# Allegro board sk_s7g2 rev3.0.brd (continued)
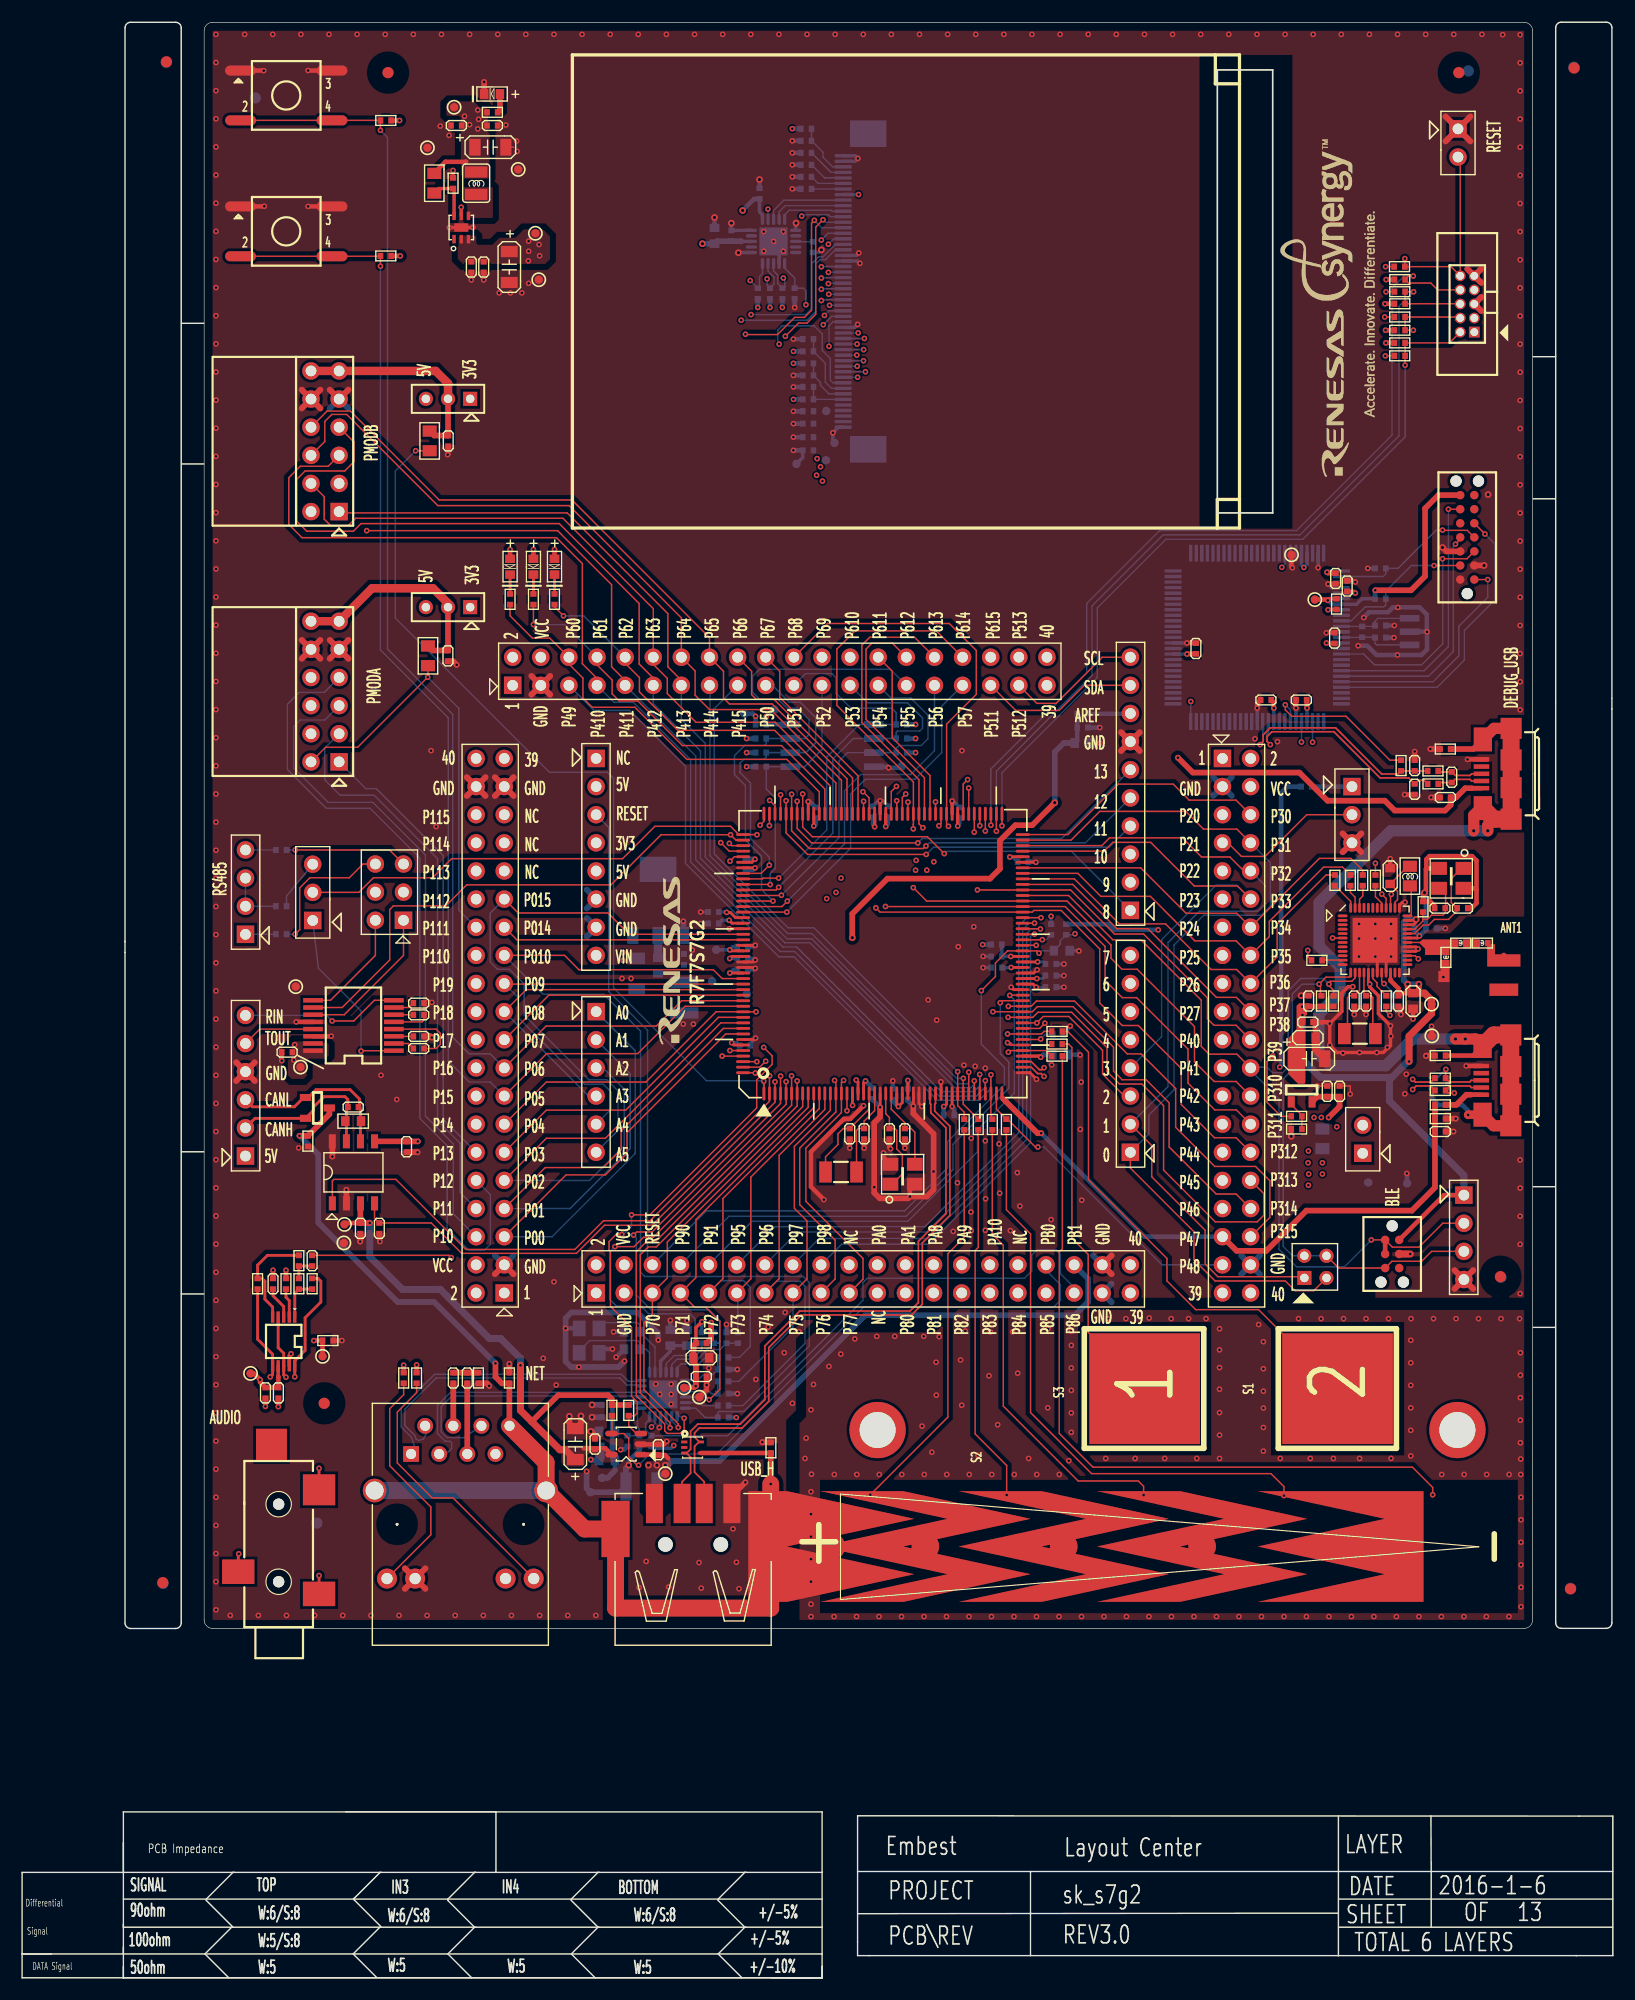
[diagram p0: board, top side]
## Routing (per net, layer and track width the routed paths; a pad name or vN(x,y) marks a point on that pad's centre or on a via; arc(x,y) is an arc through that point) (continued)
P4_14: length 50.9
  TOP w0.127: v1(85.02,81.21) 85.01,81.2 U1.37 85.01,78.89 R65.1
  BOTTOM w0.127: J22.15 62.13,116.65 62.13,101.3 69.14,94.29 71.33,94.29 84.41,81.21 v1(85.02,81.21)
P4_15: length 50.8
  TOP w0.127: R66.1 85.1,78.16 84.51,78.75 U1.36 v1(84.51,81.82)
  BOTTOM w0.127: v1(84.51,81.82) 71.53,94.8 69.2,94.8 62.52,101.48 62.52,114.58 J22.17
P5_0: length 28.8
  TOP w0.127: v1(67.49,100.46) 66.75,99.72 U1.140
  BOTTOM w0.127: J22.19 67.77,116.7 69.3,115.17 70.29,115.17 71.68,113.77 71.68,111.51 70.8,110.62 U6.6 R94.2 67.21,110.22 67.01,110.01 65.18,110.01 64.85,109.68 64.85,108.82 65.79,107.88 65.79,102.88 67.49,101.17 v1(67.49,100.46)
P5_1: length 36.5
  TOP w0.127: U1.141 66.86,99.22 66.93,99.3 v1(68.33,99.3)
  BOTTOM w0.127: J22.21 70.77,117.76 73.13,117.76 73.51,117.38 73.51,115.98 74.86,114.64 78.54,114.64 78.95,114.23 R93.2 U6.1 75.62,113.16 72.68,110.22 72.68,103.64 v1(68.33,99.3)
P5_2: length 25.1
  TOP w0.127: v1(67.57,98.71) 67.56,98.72 U1.142
  BOTTOM w0.127: J22.23 72.25,110.91 70.67,109.33 69.42,109.33 U6.5 R95.2 67.22,107.34 68.03,106.53 68.03,100.16 67.57,99.7 v1(67.57,98.71)
P5_3: length 35.2
  TOP w0.127: U1.143 68.1,98.22 v1(68.33,98.46)
  BOTTOM w0.127: v1(68.33,98.46) 73.23,103.36 73.23,110.06 75.06,111.89 U6.2 R96.2 78.95,112.45 79.08,112.58 81.08,112.58 81.34,112.83 81.34,113.75 79.96,115.12 76.37,115.12 J22.25
P5_4: length 34.6
  TOP w0.127: v1(68.59,97.75) 68.56,97.72 U1.144
  BOTTOM w0.127: J22.27 78.47,115.55 80.27,115.55 81.82,114 81.82,111.87 81.21,111.26 79.2,111.26 78.95,111 R97.2 U6.3 74.55,110.62 73.79,109.86 73.79,102.95 v1(68.59,97.75)
P5_5: length 48.7
  TOP w0.127: U1.145 v1(67.82,97.22)
  BOTTOM w0.127: v1(67.82,97.22) 66.78,98.26 66.78,101.28 65.33,102.72 65.33,107.65 64.34,108.64 64.34,110.34 65.28,111.28 67.09,111.28 67.21,111.41 R98.2 U6.7 70.72,111.89 71.07,112.25 71.07,113.6 70.03,114.64 69.09,114.64 68.26,115.48 66.58,115.48 65.97,116.08 65.97,117.51 66.6,118.14 78.42,118.14 J22.29
P5_6: length 58.2
  TOP w0.127: v1(69.12,97.21) 68.63,96.72 U1.146
  INT4 w0.127: J22.31 82.41,114.4 97.89,98.92 J24.2
  BOTTOM w0.127: J22.31 82.41,110.78 80.27,108.64 75.75,108.64 74.29,107.18 74.29,102.38 v1(69.12,97.21)
P5_7: length 57.4
  TOP w0.127: v1(69.07,96.22) U1.147
  INT4 w0.127: J24.3 96.24,101.46 84.95,112.75 J22.33
  BOTTOM w0.127: v1(69.07,96.22) 74.83,101.99 74.83,106.89 76.15,108.21 80.65,108.21 83.06,110.62 83.06,114.81 J22.33
P5_11: length 125.1
  TOP w0.127: U1.176 66.19,81.72 v1(66.22,81.69) ; J22.35 89.75,114.43 93.68,114.43 95.94,116.7 J24.9
  INT3 w0.127: v1(66.22,81.69) 65.77,82.15 65.77,83.55 69.02,86.8 74.07,86.8 89.74,102.47 89.74,113.37 87.49,115.62 J22.35 87.49,116.8 88.93,118.24 88.93,123.02 76.05,135.9 76.05,142.58 74.35,144.28 74.35,150.04 74.61,150.3 74.61,156.9 73.72,157.79 71.68,157.79 71.18,157.28 71.18,156.52 68.76,154.11 68,154.11 v1(67.29,153.4)
  BOTTOM w0.127: v1(67.29,153.4) 67.29,152.82 R30.2 67.92,152.92 67.92,153.56 67.37,154.1 U3.9
P5_12: length 125.2
  TOP w0.127: J24.10 97.57,119.24 93.4,115.07 91.66,115.07 J22.37 ; U1.175 66.63,82.22 v1(67.16,82.76)
  INT3 w0.127: v1(65.77,153.24) 67.14,154.62 68.76,154.62 70.67,156.52 70.67,157.28 71.56,158.17 74.1,158.17 74.99,157.28 74.99,150.17 74.73,149.92 74.73,144.53 76.51,142.75 76.51,136.35 91.27,121.6 91.27,117.94 J22.37 90.79,115.94 90.79,101.33 74.91,85.45 69.86,85.45 v1(67.16,82.76)
  BOTTOM w0.127: v1(65.77,153.24) 66.45,152.57 R31.2 66.6,152.72 66.6,153.6 66.87,153.87 U3.10
P5_13: length 51.8
  TOP w0.127: U1.174 v1(66.36,82.72)
  INT3 w0.127: v1(66.36,82.72) 69.61,85.97 74.74,85.97 90.25,101.48 90.25,114.18 88.78,115.65 88.78,117.3 90.03,118.55 J22.38
P6_0: length 38.9
  TOP w0.127: U1.122 72.01,107.08 69.07,110.01 60.05,110.01 55.35,114.71 51.49,114.71 50.65,115.55 50.65,117.35 49.39,118.62 J22.6 47.66,120.96 46.08,120.96 44.07,122.97 R77.1
P6_1: length 37.6
  TOP w0.127: J22.8 51.93,118.54 53.29,117.18 53.29,115.93 53.94,115.28 55.62,115.28 59.64,111.26 68.59,111.26 72.51,107.34 U1.121 ; R78.1 v1(46.18,122.18)
  BOTTOM w0.127: v1(46.18,122.18) 48.98,122.18 J22.8
P6_2: length 35.4
  TOP w0.127: v1(48.9,122.97) 48.09,123.78 R79.1 ; U1.120 73.01,107.6 67.98,112.63 59.24,112.63 55.76,116.11 55.76,117.41 54.47,118.7 J22.10
  BOTTOM w0.127: J22.10 50.74,122.97 v1(48.9,122.97)
P6_3: length 66.9
  TOP w0.127: U1.119 73.51,107.88 68.02,113.37 60.86,113.37 58.27,115.96 58.27,117.33 57.01,118.59 J22.12 57.01,123.62 48.85,131.78 30.13,131.78 29.44,131.1 27.89,131.1 27.29,131.71 27.29,133.73 J14.4
P6_4: length 70.6
  TOP w0.127: J14.6 27.34,138.71 27.34,140.52 27.97,141.15 29.32,141.15 37.55,132.92 49.41,132.92 59.55,122.79 J22.14 60.79,118 60.79,115.81 62.08,114.51 67.62,114.51 74.01,108.13 U1.118
P6_5: length 68.4
  TOP w0.127: J14.8 27.55,141.46 29.65,141.46 37.67,133.43 49.66,133.43 62.09,121.01 J22.16 63.35,117.97 63.35,115.55 63.89,115.02 67.75,115.02 74.51,108.26 U1.117
P6_6: length 60.2
  TOP w0.127: J22.18 65.89,117.97 65.89,115.86 66.27,115.48 67.87,115.48 75.01,108.34 U1.116
  INT3 w0.127: J22.18 65.84,120.45 65.84,149 67.04,150.2 67.04,151.16 67.19,151.31 69.27,151.31 70.97,153.02 72.78,153.02 v1(72.83,152.97)
  BOTTOM w0.127: J3.24 72.87,153.01 v1(72.83,152.97)
P6_7: length 57.5
  TOP w0.127: U1.115 75.51,108.53 68.43,115.6 68.43,117.97 J22.20
  INT3 w0.127: v1(72.19,152.46) 71.05,152.46 70.29,151.7 70.29,150.55 69.78,150.04 67.62,150.04 66.38,148.8 66.38,120.03 J22.20
  BOTTOM w0.127: v1(72.19,152.46) 72.24,152.51 J3.25
P6_8: length 63.9
  TOP w0.127: v1(83.67,103.97) 83.51,104.14 U1.99 83.51,113.2 86.19,115.88 86.19,119.84 83.75,122.28 72.75,122.28 J22.22
  INT4 w0.127: J27.6 97.47,89.88 97.47,97.01 89.87,104.6 84.31,104.6 v1(83.67,103.97)
P6_9: length 67.9
  TOP w0.127: U1.100 83.01,104.22 v1(82.81,104.02)
  INT3 w0.127: v1(70.8,151.06) 70.8,150.55 69.91,149.66 68,149.66 66.88,148.55 66.88,134.68 72.78,128.78 72.78,119.77 J22.24 71,117.99 71,109.48 75.62,104.86 82.25,104.86 82.81,104.3 v1(82.81,104.02)
  BOTTOM w0.127: U3.6 68.87,154.38 69.78,153.47 R125.1 70.57,152.56 70.8,152.33 v1(70.8,151.06)
P6_10: length 63.4
  TOP w0.127: U1.101 82.51,106.18 v1(82.5,106.18)
  INT3 w0.127: v1(68.38,147.5) 68.38,135.46 75.32,128.53 75.32,119.77 J22.26 76.08,117.95 76.08,110.34 78.42,108.01 78.42,106 79.03,105.39 81.72,105.39 v1(82.5,106.18)
  BOTTOM w0.127: J3.42 73.25,144.01 73.01,144.25 73.01,146.21 72.27,146.95 72.27,148.42 71.53,149.16 68.64,149.16 68.26,148.77 68.26,147.63 v1(68.38,147.5)
P6_11: length 62.8
  TOP w0.127: v1(68.94,148.22) 70.14,149.41 70.9,149.41 71.68,150.2 71.68,158.07 v1(72.34,158.73) ; J22.28 78.59,117.97 78.59,111.97 82.01,108.56 U1.102
  INT3 w0.127: J22.28 77.33,127.38 68.92,135.8 68.92,148.19 v1(68.94,148.22)
  BOTTOM w0.127: v1(72.34,158.73) 72.57,158.51 J3.13
P6_12: length 21.4
  TOP w0.127: U1.103 81.51,108.35 76.23,113.62 76.23,119.97 76.76,120.5 78.6,120.5 J22.30
P6_13: length 55
  TOP w0.127: J22.32 80.61,121.04 76.56,121.04 75.85,120.33 75.85,113.34 81.01,108.19 U1.104 81.01,104.2 v1(81.36,103.84)
  INT4 w0.127: J27.7 97.95,91.94 97.95,97.26 90.2,105.01 82.53,105.01 v1(81.36,103.84)
P6_14: length 60
  TOP w0.127: v1(80.5,103.74) 80.5,104.15 80.51,104.15 U1.105 80.51,107.98 73.59,114.89 73.59,119.97 75.23,121.61 82.57,121.61 J22.34
  INT4 w0.127: J27.8 98.43,93.99 98.43,97.49 90.43,105.49 82.17,105.49 80.5,103.82 v1(80.5,103.74)
P6_15: length 57.6
  TOP w0.127: U1.106 80.01,106.14 v1(80.02,106.15)
  INT3 w0.127: v1(72.88,147.3) 72.88,144.28 75.24,141.92 75.24,135.01 87.49,122.76 J22.36 87.49,119.23 86.04,117.78 86.04,107.09 85.73,106.79 80.65,106.79 v1(80.02,106.15)
  BOTTOM w0.127: v1(72.88,147.3) 72.88,149.16 73.23,149.51 J3.31
P7_0: length 38.6
  TOP w0.127: v1(59.26,49.69) 59.26,50.02 56.17,53.12 56.17,59.14 56.93,59.9 J23.5 58.27,63.18 58.27,66.43 70.51,78.66 U1.8
  BOTTOM w0.127: U9.20 58.67,50.29 v1(59.26,49.69)
P7_1: length 37.1
  TOP w0.127: v1(62.06,52.2) 62.08,52.2 63.02,53.14 63.02,59.26 61.75,60.53 60.77,60.53 J23.7 60.86,63.23 60.86,68.46 71.01,78.6 U1.9
  BOTTOM w0.127: v1(62.06,52.2) 61.83,52.44 U9.16
P7_2: length 34.1
  TOP w0.127: U1.10 71.51,78.57 63.3,70.36 63.3,63.13 63.3,63.13 J23.9
  BOTTOM w0.127: 63.81,56.01 64.78,56.01 65.77,57 65.77,62.34 65.16,62.95 63.12,62.95 J23.9
P7_3: length 24.7
  TOP w0.127: U1.11 72.01,78.48 65.82,72.3 65.82,63.11 J23.11
  BOTTOM w0.127: J23.11 64.65,61.74 R100.2
P7_4: length 38.9
  TOP w0.127: U1.12 72.51,78.4 68.38,74.28 68.38,63.13 J23.13
  BOTTOM w0.127: 63.81,51.67 65.11,51.67 70.72,57.28 70.72,62.44 70.26,62.9 68.15,62.9 J23.13
P7_5: length 31.3
  TOP w0.127: U1.13 73.01,78.31 69.75,75.06 69.75,69.48 70.9,68.33 70.9,63.11 J23.15
  BOTTOM w0.127: 63.81,53.85 64.72,53.85 69.63,58.76 J23.15
P7_6: length 80.5
  TOP w0.127: v1(73.39,81.03) 73.51,80.91 U1.14 73.51,78.18 70.24,74.91 70.24,69.81 73.44,66.61 73.44,63.11 J23.17
  INT3 w0.127: J9.4 33.18,96.76 35.06,96.76 39.05,92.77 39.05,83.95 39.73,83.27 52.66,83.27 54.44,85.05 64.37,85.05 64.8,84.61 64.8,81.39 66.43,79.76 70.44,79.76 71.71,81.03 v1(73.39,81.03)
P7_7: length 80.2
  TOP w0.127: J23.19 75.95,63.08 75.95,64.95 70.8,70.11 70.8,74.91 74.01,78.12 U1.15 74.01,80.84 v1(74.2,81.03)
  INT3 w0.127: v1(74.2,81.03) 73.67,81.57 71.61,81.57 70.24,80.19 66.6,80.19 65.31,81.49 65.31,84.79 64.6,85.5 54.77,85.5 54.46,85.81 47.12,85.81 44.96,83.65 40.09,83.65 39.55,84.18 39.55,93.15 34.68,98.03 J9.3
P8_0: length 95.1
  TOP w0.127: v1(66.38,103.21) 66.36,103.22 U1.133 64.74,103.22 63.99,103.97 57.16,103.97 54.23,101.05 38.79,101.05 37.06,99.32 31.73,99.32 30.42,98.01 J8.2
  INT4 w0.127: v1(66.38,103.21) 64.75,101.58 63.99,101.58 62.29,99.88 62.29,79.43 75.77,65.95 75.77,63.43 76.28,62.92 78.7,62.92 J23.23
P8_1: length 106.1
  TOP w0.127: U7.10 28.91,87.61 33.2,91.9 33.2,96.45 33.53,96.78 38.26,96.78 40.16,98.69 53.19,98.69 57.71,103.21 v1(63.99,103.21) 64.47,102.72 U1.134
  INT4 w0.127: v1(63.99,103.21) 64.42,102.78 64.42,102.09 64.27,101.94 63.79,101.94 61.85,100.01 61.85,79.08 73.56,67.37 73.56,61.09 73.95,60.71 81.2,60.71 J23.25
P8_2: length 125.4
  TOP w0.127: U1.135 64.08,102.22 v1(63.88,102.43)
  INT3 w0.127: v1(72.19,153.47) 70.8,153.47 69.02,151.7 66.35,151.7 63.81,149.16 63.81,125.66 58.48,120.33 58.48,112.58 63.51,107.55 63.51,102.8 v1(63.88,102.43)
  INT4 w0.127: v1(63.88,102.43) 63.77,102.43 60.66,99.32 60.66,94.04 61.3,93.4 61.3,78.9 73.23,66.96 73.23,60.79 73.72,60.31 83.34,60.31 J23.27
  BOTTOM w0.127: J3.23 72.23,153.51 v1(72.19,153.47)
P8_3: length 132
  TOP w0.127: v1(63.1,102.5) 63.87,101.72 U1.136
  INT3 w0.127: v1(72.83,153.98) 70.67,153.98 68.76,152.08 65.97,152.08 63.3,149.41 63.3,125.91 58.1,120.71 58.1,112.27 63.02,107.35 63.02,102.57 v1(63.1,102.5)
  INT4 w0.127: J23.29 85.42,59.85 72.24,59.85 70.92,61.17 70.92,68.56 59.09,80.4 59.09,98.48 v1(63.1,102.5)
  BOTTOM w0.127: v1(72.83,153.98) 72.86,154.01 J3.22
P8_4: length 127.9
  TOP w0.127: v1(63.94,100.82) 64.34,101.22 U1.137
  INT3 w0.127: v1(72.19,154.49) 70.54,154.49 68.51,152.46 65.59,152.46 62.79,149.66 62.79,126.93 55.68,119.82 55.68,113.6 62.31,106.97 62.31,102.09 63.58,100.82 v1(63.94,100.82)
  INT4 w0.127: J23.31 88.53,63.25 76.59,63.25 76.15,63.68 76.15,67.93 62.74,81.34 62.74,99.63 v1(63.94,100.82)
  BOTTOM w0.127: J3.21 72.21,154.51 v1(72.19,154.49)
P8_5: length 41.9
  TOP w0.127: U1.173 v1(63.23,83.22)
  INT3 w0.127: v1(63.23,83.22) 63.23,81.48 78.85,65.87 87.99,65.87 88.73,65.13 88.73,63.61 89.16,63.18 90.51,63.18 91.85,61.84 J23.33
P8_6: length 95.4
  TOP w0.127: U1.172 v1(63.93,83.72)
  INT3 w0.127: J23.35 93.71,63.15 91.73,63.15 91.22,63.66 91.22,64.98 89.82,66.38 79.03,66.38 63.93,81.47 v1(63.93,83.72)
  BOTTOM w0.127: J23.35 95.03,62.34 93.78,63.58 93.78,65.34 93.38,65.74 91.67,65.74 91.19,65.26 91.19,63.81 90.54,63.16 76.34,63.16 75.95,62.77 75.95,61.17 63.73,48.95 R54.2 56.31,49.48 56.31,50.07 56.67,50.42 U9.24
P9_0: length 118.2
  TOP w0.127: U1.58 88.53,88.22 v1(88.35,88.04)
  INT3 w0.127: v1(88.35,88.04) 88.25,88.15 88.25,95.76 95.05,102.56 95.05,120.53 78.11,137.47 78.11,144.13 76.73,145.51 v1(75.43,145.51)
  BOTTOM w0.127: v1(88.35,88.04) 88.35,83.44 89.13,82.66 89.13,80.32 84.08,75.27 84.08,72.98 79.86,68.76 63.85,68.76 J23.8 ; J3.39 v1(75.43,145.51)
P9_1: length 117
  TOP w0.127: v1(89.21,88.7) 89.23,88.72 U1.59
  INT3 w0.127: v1(89.21,88.7) 89.59,88.7 89.97,89.08 89.97,96.27 95.92,102.22 95.92,121.37 79.15,138.13 79.15,144.66 77.3,146.51 v1(75.39,146.51)
  BOTTOM w0.127: v1(75.39,146.51) 75.39,146.51 J3.37 ; v1(89.21,88.7) 89.62,88.3 89.62,79.89 86.29,76.56 86.29,74.58 80.02,68.31 65.94,68.31 J23.10
P9_5: length 120.8
  TOP w0.127: v1(92.03,95.71) 92.02,95.72 U1.73
  INT3 w0.127: v1(75.52,148.52) 78.07,148.52 81.21,145.38 81.21,139.71 98.38,122.54 98.38,102.27 92.03,95.92 v1(92.03,95.71)
  BOTTOM w0.127: J3.33 75.51,148.51 v1(75.52,148.52) ; v1(92.03,95.71) 90.73,95.71 90.02,95 90.02,76.31 81.54,67.82 67.99,67.82 J23.12
P9_6: length 116.6
  TOP w0.127: U1.72 91.44,95.22 v1(91.45,95.23)
  INT3 w0.127: v1(76.08,148.01) 76.08,148.01 77.88,148.01 80.68,145.21 80.68,139.3 97.92,122.05 97.92,102.39 91.45,95.92 v1(91.45,95.23)
  BOTTOM w0.127: v1(76.08,148.01) 76.08,148.01 J3.34 ; v1(91.45,95.23) 90.96,95.23 90.38,94.65 90.38,76 81.72,67.34 70.05,67.34 J23.14
P9_7: length 115
  TOP w0.127: v1(91.98,94.7) 91.95,94.72 U1.71
  INT3 w0.127: v1(91.98,94.7) 91.14,94.7 90.91,94.93 90.91,95.97 96.81,101.86 96.81,122.31 80.17,138.94 80.17,145.01 77.67,147.51 v1(75.41,147.51)
  BOTTOM w0.127: J23.16 72.01,66.76 81.79,66.76 90.73,75.7 90.73,94.29 91.14,94.7 v1(91.98,94.7) ; J3.35 v1(75.41,147.51)
P9_8: length 110.7
  TOP w0.127: U1.70 91.43,94.22 v1(91.45,94.24)
  INT3 w0.127: v1(91.45,94.24) 90.91,94.24 90.46,94.7 90.46,96.17 96.35,102.06 96.35,121.8 79.66,138.49 79.66,144.81 77.46,147.01 v1(76.01,147.01)
  BOTTOM w0.127: J3.36 v1(76.01,147.01) ; J23.18 74.04,66.25 81.92,66.25 91.09,75.42 91.09,94.06 91.27,94.24 v1(91.45,94.24)
P27_P6: length 11.2
  TOP w0.127: v1(126.12,92.01) 125.84,92.28 U2.27 ; U2.6 118.37,93.88 v1(118.37,93.89)
  INT3 w0.127: v1(126.12,92.01) 125.58,91.47 120.43,91.47 118.37,93.53 v1(118.37,93.89)
P39: length 19.4
  TOP w0.127: R17.1 123.22,87.23 v1(123.55,86.9) ; v1(123.68,97.82) 123.61,97.75 U2.39
  INT3 w0.127: v1(123.55,86.9) 117.73,92.72 117.73,94.29 120.73,97.29 123.14,97.29 v1(123.68,97.82)
P40: length 11.6
  TOP w0.127: R14.1 116.13,92.2 v1(116.13,92.77) ; U2.40 123.21,97.46 v1(122.81,97.85)
  INT3 w0.127: v1(122.81,97.85) 120.55,97.85 116.13,93.43 v1(116.13,92.77)
PA_0: length 101.4
  TOP w0.127: U1.114 v1(76.01,106.23)
  INT3 w0.127: v1(72.86,152.01) 72.8,151.95 71.81,151.95 71.49,151.63 71.49,150.74 70.03,149.28 68.38,149.28 67.39,148.29 67.39,134.93 73.31,129.01 73.31,108.82 75.9,106.23 v1(76.01,106.23)
  INT4 w0.127: v1(76.01,106.23) 75.9,106.12 75.9,84.44 78.14,82.2 78.14,80.7 79.69,79.15 79.69,77.73 81.23,76.18 81.23,68.36 J23.22
  BOTTOM w0.127: J3.26 v1(72.86,152.01)
PA_1: length 100.5
  TOP w0.127: U1.113 76.51,106.54 v1(75.95,107.09)
  INT3 w0.127: v1(75.95,107.09) 74.2,108.85 74.2,114.54 73.69,115.04 73.69,119.89 73.79,120 73.79,129.29 67.9,135.19 67.9,148.04 68.76,148.9 70.16,148.9 72.19,150.93 v1(72.19,151.44)
  INT4 w0.127: J23.24 81.69,66.28 81.69,76.54 80.02,78.21 80.02,79.58 79.3,80.3 79.3,81.74 76.54,84.51 76.54,106.51 v1(75.95,107.09)
  BOTTOM w0.127: J3.27 72.41,151.51 72.34,151.44 v1(72.19,151.44)
PA_8: length 96.8
  TOP w0.127: v1(79.81,106.89) 79.51,106.58 U1.107
  INT3 w0.127: v1(79.81,106.89) 81.39,108.46 81.39,114.21 81.21,114.38 81.21,126.17 74.1,133.28 74.1,140.9 71.56,143.44 71.56,148.44 v1(72.37,149.26)
  INT4 w0.127: J23.26 83.14,65.19 83.14,76.05 81.74,77.45 81.74,80.04 78.49,83.29 78.49,103.71 79.51,104.73 79.51,106.59 v1(79.81,106.89)
  BOTTOM w0.127: J3.30 73.12,150.01 v1(72.37,149.26)
PA_9: length 99.7
  TOP w0.127: U1.108 79.01,106.27 v1(79,106.28)
  INT3 w0.127: v1(72.47,150.1) 72.47,150.07 70.92,148.52 70.92,135.57 78.8,127.69 78.8,115.91 79.61,115.09 79.61,107.47 79,106.86 v1(79,106.28)
  INT4 w0.127: J23.28 85.04,64.55 85.04,74.81 82.2,77.65 82.2,80.3 79.23,83.27 79.23,103.87 80.8,105.44 80.8,106.76 80.14,107.42 79.63,107.42 79,106.79 v1(79,106.28)
  BOTTOM w0.127: J3.29 72.89,150.51 v1(72.47,150.1)
PA_10: length 101.1
  TOP w0.127: v1(78.97,107.58) 78.51,107.11 U1.109
  INT3 w0.127: v1(78.97,107.58) 78.97,114.41 78.42,114.97 78.42,127.18 70.54,135.06 70.54,148.65 71.94,150.04 71.94,150.3 72.65,151.01 v1(72.93,151.01)
  INT4 w0.127: v1(78.97,107.58) 79.28,107.88 80.32,107.88 81.25,106.95 81.25,105.28 79.76,103.79 79.76,83.39 82.66,80.5 82.66,77.96 86.31,74.3 86.31,65.47 J23.30
  BOTTOM w0.127: J3.28 v1(72.93,151.01)
PB_0: length 83.5
  TOP w0.127: v1(55.68,46.29) 55.56,46.29 54.79,47.05 54.79,48.7 54.35,49.14 U14.4 53.27,49.17 R122.2 ; v1(74.5,78.29) 74.5,78.37 74.51,78.37 U1.16
  INT3 w0.127: v1(74.5,78.29) 75.44,77.35 75.44,70.85 79.43,66.86 90.35,66.86 92.49,64.73 J23.34
  BOTTOM w0.127: v1(55.68,46.29) 56.7,47.3 62.74,47.3 75.98,60.53 93.15,60.53 93.78,61.17 93.78,62.59 92.49,63.89 J23.34
PB_1: length 80.3
  TOP w0.254: U1.17 75.01,78.78 v1(75.01,78.77)
  TOP w0.406: 58.35,46.92 58.07,47.2 C103.1 57.42,47.24 U14.1
  TOP w0.508: 57.1,42.83 J6.1
  INT3 w0.508: v1(75.01,78.77) 76.99,76.79 76.99,72.52 81.26,68.26 91.15,68.26 J23.36
  BOTTOM w0.508: J23.36 96.3,63.11 96.3,61.04 95.08,59.82 76.15,59.82 63,46.67 62.28,46.67 58.73,46.67 58.35,46.29 v2(58.1,46.29)
  vias: v2(56.57,46.29) v2(57.33,46.29)
PMODA_VCC: length 20.4
  TOP w0.508: J13.2 38.46,122.48 C64.1 37.06,119.84 R67.1
  TOP w0.762: J12.12 J12.11 31.6,125.46 37.12,125.46 38.47,124.1 J13.2
PMODB_VCC: length 19.4
  TOP w0.508: R68.1 37.22,139.25 C65.1 38.47,139.27 J15.2
  TOP w0.762: J15.2 38.47,143.97 37.35,145.08 J14.11 J14.12
RE: length 4.6
  BOTTOM w0.127: J8.3 23.88,97.67 R44.1
READY: length 16.4
  TOP w0.127: U7.1 30.65,83.71 v1(30.61,83.67)
  BOTTOM w0.127: v1(30.61,83.67) 30.61,87.31 26.76,91.16 J8.1
RES: length 33.2
  TOP w0.127: R110.2 v1(123.15,154.5)
  INT3 w0.127: v1(123.15,154.5) 121.49,152.84 121.49,135.03 113.81,127.35 v1(113.79,127.35)
  BOTTOM w0.127: U11.93 114.06,127.63 v1(113.79,127.35)
RESET: length 199.2
  TOP w0.127: v1(91.85,92.51) 91.64,92.72 U1.67 89.01,92.72 87.92,91.62 87.92,90.41 v1(86.65,89.14) ; v1(124.9,155.23) R110.1 129.07,154.5 J18.10 129.9,164.19 J2.2
  INT3 w0.127: v1(124.9,155.23) 123.83,154.16 123.83,124.85 122.74,123.76 122.74,114.46 114.66,106.38 107.7,106.38 101.48,100.16 99.4,100.16 98.38,99.14 98.38,97.54 v1(95.1,94.27)
  BOTTOM w0.127: J25.3 52.99,103.87 52.99,89.06 56.5,85.55 56.5,64.81 J23.6 61.8,69.25 79.71,69.25 83.58,73.12 83.58,75.48 88.73,80.63 88.73,82.2 86.65,84.28 v1(86.65,89.14) ; v1(91.85,92.51) 92.06,92.72 93.19,92.72 C18.1 93.76,93.29 93.76,93.62 R7.2 95,94.16 v1(95.1,94.27)
RXD0: length 4.4
  BOTTOM w0.127: R99.1 R58.1 62.38,54.46 61.55,54.46 61.02,53.94 U9.13
RXD1: length 6.8
  BOTTOM w0.127: U9.12 59.17,55.05 59.54,55.43 61.14,55.43 62.44,56.72 63.04,56.72 R59.1 R100.1
RXD-RS232: length 10.5
  TOP w0.127: U7.9 27.86,88.26 31.91,92.31 J9.2
RXD-RS485: length 12.9
  TOP w0.127: v1(24.66,94.23) 25.08,94.64 25.08,98.41 25.99,99.32 29.55,99.32 30.79,100.57 J9.6
  BOTTOM w0.127: R43.1 v1(24.66,94.23)
RXM: length 24.9
  BOTTOM w0.127: J11.6 39.89,48.77 38.36,48.77 37.85,49.28 37.85,51.56 38.83,52.53 55.82,52.53 U9.3
RXP: length 24.9
  BOTTOM w0.127: J11.3 38.31,47.3 38.79,47.78 38.79,48.32 38.66,48.44 38.22,48.44 37.52,49.15 37.52,51.7 38.69,52.86 55.85,52.86 U9.4
SWCLK: length 44.4
  TOP w0.127: R107.2 v1(123.08,149.95)
  INT3 w0.127: v1(115.56,111.58) 115.64,111.58 121.93,117.86 121.93,124.21 122.74,125.03 122.74,128.71 122.61,128.84 122.61,149.49 v1(123.08,149.95)
  BOTTOM w0.127: U11.30 v1(115.56,111.58)
SWDIO: length 40.5
  TOP w0.127: R108.2 v1(123.14,146.45)
  INT3 w0.127: v1(116.56,111.56) 122.33,117.33 122.33,123.98 123.37,125.03 123.37,146.21 v1(123.14,146.45)
  BOTTOM w0.127: U11.28 v1(116.56,111.56)
SWO: length 48.4
  TOP w0.127: v1(123.2,152.23) 123.21,152.24 R109.2
  INT3 w0.127: v1(123.2,152.23) 122,151.04 122,129.14 112.78,119.92 110.24,119.92 v1(105.56,115.24)
  BOTTOM w0.127: U11.50 v1(105.56,115.24)
TOOL0: length 48.2
  TOP w0.127: J32.4 118.93,64.09 J34.5 123.73,64.7 126.42,64.7 127.31,65.59 J33.3 ; R15.2 117.28,88.76 117.28,89.59 v1(117.15,89.72) 117.79,90.35 119.88,90.35 120.01,90.48 U2.13
  BOTTOM w0.127: v1(117.15,89.72) 115.63,89.72 114.74,88.83 114.74,82 113.91,81.17 113.91,66.04 114.75,65.19 J32.2 J32.4
TXD-RS232: length 13.6
  TOP w0.127: U7.11 29.1,86.96 34.45,92.31 J9.1
TXD-RS485: length 11.1
  TOP w0.127: v1(24.67,101.84) 33.18,101.84 J9.5
  BOTTOM w0.127: R45.1 v1(24.67,101.84)
TXM: length 27.9
  BOTTOM w0.127: J11.2 36.58,49.31 36.25,48.65 35.84,48.51 35.58,48.64 35.46,48.98 34.58,49.87 34.58,51.34 37.39,54.16 54,54.16 54.63,53.52 55.83,53.52 U9.5
TXP: length 27.9
  BOTTOM w0.127: U9.6 55.84,53.85 54.77,53.85 54.13,54.49 37.26,54.49 34.24,51.48 34.24,49.73 35.18,48.8 35.46,47.95 J11.1
USBF_N: length 42
  TOP w0.152: U1.46 91.15,82.22 91.73,81.64 92.06,81.64 v1(92.31,81.39) ; v1(125.6,80.2) 125.92,80.52 127.21,80.52 R35.1
  INT3 w0.152: v1(125.6,80.2) 125.29,80.51 119.35,80.51 114.08,85.78 105.39,85.78 102.82,83.22 98.02,83.22 96.39,81.59 92.51,81.59 v1(92.31,81.39)
USBF_P: length 42
  TOP w0.152: U1.47 91.15,82.72 91.88,82 92.13,82 v1(92.31,82.18) ; v1(125.6,81.13) 125.85,80.88 127.26,80.88 R36.1
  INT3 w0.152: v1(125.6,81.13) 125.34,80.87 119.5,80.87 119.04,81.32 114.23,86.14 105.24,86.14 102.67,83.57 97.87,83.57 96.25,81.95 92.54,81.95 v1(92.31,82.18)
USBHS_N: length 56.1
  TOP w0.152: 59.99,47.39 60.03,47.39 60.38,47.73 60.38,49.35 61.02,49.99 64.88,49.99 67.09,52.2 67.09,57.05 70.24,60.2 80.19,60.2 80.96,60.97 80.96,66.5 83.44,68.99 83.44,76.75 82.08,78.11 82.08,78.87 82.01,78.95 U1.31 ; 59.99,47.39 60.38,47 60.38,45.56 59.61,44.79 J6.2 ; 59.99,47.39 U5.3
USBHS_P: length 56.1
  TOP w0.152: 61.18,48.39 61.14,48.39 60.74,47.99 60.74,45.66 61.61,44.79 J6.3 ; 61.18,48.39 U5.5 ; 61.18,48.39 60.74,48.83 60.74,49.21 61.17,49.64 65.02,49.64 67.44,52.06 67.44,56.9 70.39,59.85 80.34,59.85 81.31,60.82 81.31,66.35 83.8,68.84 83.8,76.89 82.43,78.26 82.43,78.87 82.51,78.95 U1.32
XII: length 8.8
  BOTTOM w0.127: U9.8 57.17,56.94 C61.1 55.78,58.94 55.56,59.16 52.64,59.16 X5.1
XN: length 6.7
  BOTTOM w0.127: J3.10 68.94,160.01 68.37,159.44 U3.19
XOO: length 9.5
  BOTTOM w0.127: U9.7 56.67,56.45 56.37,56.75 C62.1 55.78,57.36 55.61,57.54 51.26,57.54 50.31,56.59 X5.3
XP: length 8.1
  INT3 w0.127: v1(70.41,159.06) 69.78,159.7 v1(67.37,159.7)
  BOTTOM w0.127: U3.17 67.37,158.78 v1(67.37,159.7) ; v1(70.41,159.06) 70.54,159.19 72.83,159.19 73.01,159.01 J3.12
XTAL1: length 9.6
  TOP w0.127: U1.23 78.01,78.01 78.34,77.68 C19.1 78.82,76.69 79,76.51 79,74.84 79.51,74.33 79.51,72.57 78.59,71.66 X1.1
XTAL2: length 7.6
  TOP w0.127: U1.24 78.51,78.43 79.74,77.2 C20.1 80.3,76.69 80.63,76.35 X1.3
XTAL11: length 6.8
  BOTTOM w0.127: X6.1 122.34,120.35 122.21,120.48 C80.1 122.16,121.05 R87.1 121,121.02 U11.13
XTAL22: length 6.7
  BOTTOM w0.127: U11.11 121.03,122.02 R87.2 122.12,122.02 C81.1 122.21,122.49 122.46,122.75 X6.3
YN: length 5.9
  BOTTOM w0.127: J3.11 73.16,159.51 73.08,159.59 69.29,159.59 68.87,159.17 U3.20
YP: length 7.5
  BOTTOM w0.127: U3.18 67.87,159.57 68.81,160.51 J3.9
N242042: length 9.1
  TOP w0.127: X2.1 72.57,74.12 73.69,75.24 73.69,76.21 74.17,76.69 C22.1 76.51,78.44 U1.20
N242094: length 2.2
  TOP w0.254: U1.19 76.01,80.81 v1(76.18,80.98)
  BOTTOM w0.406: v1(76.18,80.98) 76.82,80.34 C21.1
N242698: length 2.2
  TOP w0.254: U1.62 v1(91.65,90.22)
  BOTTOM w0.254: v1(91.65,90.22) 92.17,90.22 C17.1
N242726: length 1.9
  TOP w0.254: U1.64 v1(89.33,91.22)
  BOTTOM w0.305: R6.1 89.32,91.21 v1(89.33,91.22)
N242734: length 2.1
  TOP w0.254: U1.65 91.72,91.72 v1(91.73,91.73)
  BOTTOM w0.254: R4.1 92.24,91.73 v1(91.73,91.73)
N242878: length 3
  TOP w0.254: U1.66 v1(89.3,92.22)
  BOTTOM w0.305: v1(89.3,92.22) 89.3,92.22 R5.1 R3.2
N243146: length 2.4
  TOP w0.254: v1(63.63,96.2) 63.96,96.2 64.44,95.72 U1.148
  BOTTOM w0.305: v1(63.63,96.2) 63.6,96.23 C13.2
N243418: length 8.1
  TOP w0.127: X2.2 75.37,76.51 75.55,76.69 C23.1 76.05,77.35 77.01,78.3 U1.21
N243434: length 1.9
  TOP w0.254: U1.27 v1(80.01,81.03)
  BOTTOM w0.406: R9.1 80.02,81.02 v1(80.01,81.03)
N243588: length 3.6
  BOTTOM w0.406: J1.1 120.12,107.55 R1.2
N245158: length 2.1
  TOP w0.305: U1.112 v1(77.01,103.93)
  BOTTOM w0.305: C1.2 76.82,104.12 v1(77.01,103.93)
N247503: length 1.9
  TOP w0.127: R14.2 117.45,91.88 U2.11
N247585: length 6.3
  TOP w0.127: U2.15 120.81,89.16 C26.1 119.89,88.68 119.72,88.5 119.72,85.53 X3.1
N247621: length 6.2
  TOP w0.127: X3.2 122,85.48 122,88.53 121.85,88.68 C27.1 121.21,88.87 U2.16
N247741: length 2.5
  TOP w0.127: U2.20 122.8,89.98 v1(123.02,89.76)
  BOTTOM w0.127: v1(123.02,89.76) 123.82,88.97 C29.1
N247801: length 2.6
  TOP w0.127: R17.2 122.38,89.52 122.38,89.85 122.01,90.22 U2.18
N247863: length 2.6
  TOP w0.127: U2.48 120.01,97.19 R10.1
N247867: length 2.2
  TOP w0.127: U2.47 120.4,97.56 119.98,97.99 R11.1
